# Allegro board RK3576_TEMPLATE_LP4XD200P132SD6_24X34_2133MHz_H1R6_V11_20240529YWQ.brd (continued)
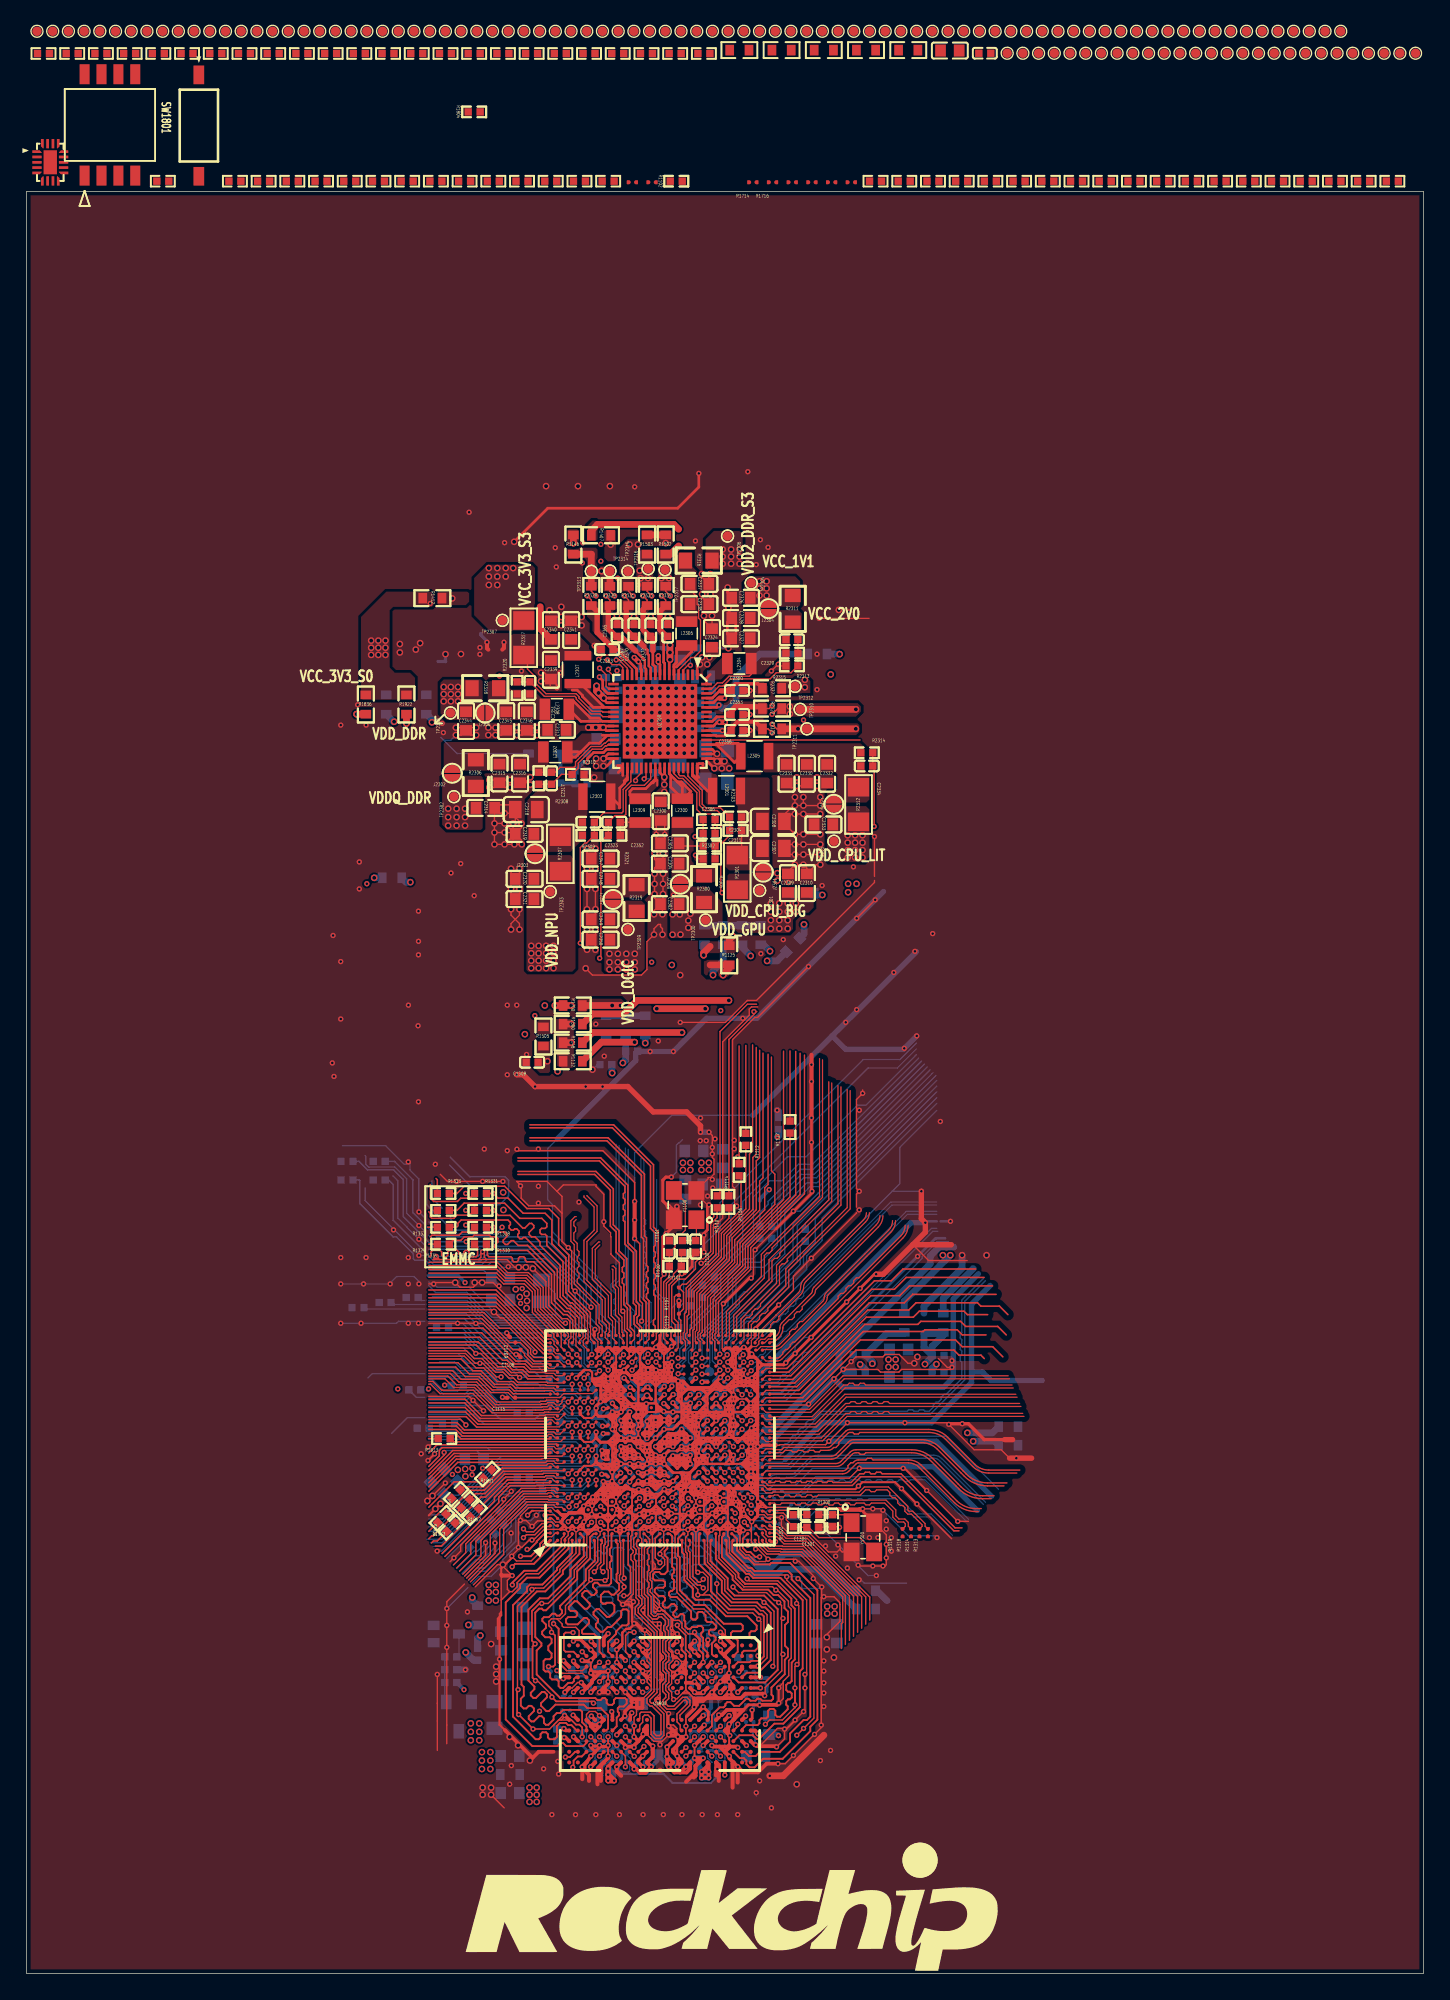
[diagram p0: board, top side]
## Copper pours and planes (outline as drawn; the poured copper is in the pictures) (continued)
VCC_1V8_S3 on TOP: 51.05,105.66 51.18,105.54 53.72,105.54 53.85,105.66 53.85,108.2 53.59,108.46 51.69,108.46 51.05,107.82
VCC_1V8_S3 on TOP: 53.34,76.84 53.21,76.71 52.58,76.71 52.45,76.84 52.45,77.98 52.7,78.23 53.21,78.23 53.34,78.1
VCC_1V8_S3 on BOTTOM: 35.94,14.48 36.07,14.61 36.07,16.89 35.94,17.02 34.16,17.02 33.91,16.76 33.91,14.86 34.29,14.48
VCC_1V8_S3 on L4-SIG: 53.98,91.69 53.98,77.6 52.96,77.6 52.83,77.72 52.83,78.1 53.09,78.36 53.09,81.91 52.45,82.55 52.45,83.69 53.47,84.71 53.47,106.68 53.72,106.68 53.85,106.55 53.85,97.16 54.86,96.14 54.86,92.58
VCC_1V8_S3_P on TOP: 48.7,101.3 48.7,106.68 48.83,106.81 50.04,106.81 50.04,105.79 50.41,105.42 50.41,105.04 50.42,105.03 50.42,103.85 50.39,103.77 50.39,103.7 50.39,103.62 50.42,103.54 50.42,101.37 50.29,101.24 48.76,101.24
VCC_2V0_PLDO_S3 on BOTTOM: 51.28,94.23 51.28,94.87 52.05,94.87 52.81,94.11 52.81,93.96 52.7,93.85 52.03,93.85 52.03,93.9 51.97,94.02 51.84,94.08 51.82,94.08 51.66,94.23
VCC_2V0_PLDO_S3 on L3-POWER: 51.82,93.98 51.94,93.85 54.23,93.85 55.05,94.68 55.05,99.95 54.55,100.46 54.55,104.9 54.77,105.12 57.66,105.12 59.28,103.5 60.58,103.5 60.71,103.63 60.71,105.28 60.58,105.41 59.56,105.41 56.64,108.33 51.18,108.33 50.04,107.19 50.04,101.47 52.96,98.55 52.96,95.5 52.58,95.12 51.94,95.12 51.82,95
VCC_3V3_S0 on TOP: 27.3,102.49 27.56,102.74 30.48,102.74 30.61,102.87 30.61,103.63 30.35,103.89 27.05,103.89 25.15,101.98 25.15,95.88 25.27,95.76 29.08,95.76 29.21,95.88 29.21,97.41 28.83,97.79 27.69,97.79 27.3,98.17
VCC_3V3_S3 on TOP: 33.66,102.11 33.66,104.9 34.67,105.92 37.97,105.92 38.23,105.66 38.23,101.09 38.1,100.97 34.8,100.97
VCC_3V3_S3_P on TOP: 42.29,99.82 42.29,99.57 42.55,99.31 42.55,98.81 42.42,98.68 40.26,98.68 39.88,98.3 36.58,98.3 36.45,98.42 36.45,100.58 36.58,100.71 41.4,100.71
VCCA_1V8_S0 on TOP: 56.39,94.59 56.39,95.25 56.64,95.5 62.48,95.5 62.74,95.25 62.74,94.87 62.36,94.49 56.49,94.49
VCCA_1V8_S0 on L4-SIG: 56.77,91.44 57.66,92.33 57.66,95.38 57.28,95.76 56.64,95.76 56.52,95.63 56.52,94.62 56.39,94.49 55.88,94.49 55.5,94.11 55.5,92.33 54.74,91.57 54.74,83.44 54.8,83.38 54.8,82.23 55.18,81.85 56.58,81.85 56.77,82.04
VCCA_1V8_S0_P on TOP: 55.74,94.75 55.57,94.59 54.97,94.59 54.77,94.79 54.76,94.8 54.67,94.94 54.53,95.03 53.38,95.03 53.21,94.87 53.21,94.36 52.58,94.36 52.58,94.87 53.34,95.63 55.5,95.63 55.74,95.39
VCCIO0_1V8 on L4-SIG: 45.09,44.7 45.09,44.96 44.83,45.21 44.83,48.13 43.43,49.53 43.43,50.42 43.37,50.48 43.37,51.12 42.29,52.2 42.29,54.1 41.78,54.61 41.66,54.61 41.66,52.07 42.67,51.05 42.67,49.4 44.32,47.75 44.32,45.21 44.83,44.7
VCCIO1 on L4-SIG: 42.93,41.02 43.05,40.89 43.43,40.89 43.56,41.02 43.56,41.66 43.43,41.78 36.96,41.78 36.45,42.29 35.94,42.29 35.94,42.04 36.96,41.02
VCCIO2 on L4-SIG: 43.43,37.34 43.43,37.72 42.93,38.23 37.21,38.23 36.07,37.08 36.07,36.83 36.2,36.7 37.08,36.7 37.72,37.34
VCCIO3 on L4-SIG: 44.07,43.05 43.94,43.05 43.81,42.93 43.81,42.67 43.69,42.54 43.69,42.29 43.56,42.16 39.88,42.16 37.72,44.32 34.92,44.32 34.8,44.2 34.8,43.81 36.7,41.91 39.62,41.91 39.88,41.66 44.2,41.66 44.58,42.04 44.58,42.55
VCCIO4 on L4-SIG: 43.56,40.77 43.56,40.26 43.43,40.13 36.83,40.13 36.77,40.2 35.88,40.2 32.64,43.43 30.35,43.43 29.97,43.81 29.97,49.91 30.23,49.91 30.67,49.47 30.67,47.31 37.08,40.89 43.43,40.89
VCCIO5 on L4-SIG: 43.43,39.88 40.77,39.88 40.64,40.01 35.56,40.01 32.89,42.67 32.77,42.67 32.26,43.18 29.97,43.18 28.83,44.32 27.69,44.32 27.56,44.2 27.56,43.81 29.34,42.04 31.5,42.04 34.29,39.24 43.43,39.24
VCCIO6 on L4-SIG: 55.12,37.72 55.24,37.59 61.34,37.59 61.85,38.1 61.85,38.23 52.07,38.23 51.75,37.91 51.94,37.72
VCCIO7_VCC on L4-SIG: 54.74,36.58 55.12,36.96 58.93,36.96 59.18,37.21 59.18,37.34 55.24,37.34 54.99,37.59 51.69,37.59 51.69,37.85 51.31,38.23 51.18,38.23 51.05,38.1 51.05,37.85 50.93,37.72 50.93,37.47 51.05,37.34 51.18,37.34 51.44,37.08 51.44,36.7 51.56,36.58
VCCIO_SD_S0 on TOP: 57.84,97.33 58.75,97.33 58.93,97.16 58.93,96.27 58.29,96.27 58.26,96.24 56.41,96.24 56.39,96.26 56.39,96.27 56.39,96.9 56.64,97.16 57.66,97.16
VCCIO_SD_S0_P on TOP: 55.73,96.77 55.73,96.14 55.7,96.11 54.99,96.11 54.77,96.33 54.79,96.39 54.79,96.46 54.72,96.68 54.53,96.83 54.52,96.84 54.46,96.9 54.26,96.9 54.2,96.93 54.15,96.93 53.6,96.93 53.54,96.93 53.49,96.9 53.44,96.9 53.38,96.84 53.29,96.84 53.29,96.75 53.19,96.65 53.19,96.14 52.9,96.14 52.85,96.18 52.8,96.22 52.12,96.22 52.07,96.27 52.07,96.39 52.96,97.28 55.22,97.28
VDD1_1V8_DDR_S3 on BOTTOM: 38.61,14.1 38.48,14.22 38.23,14.22 37.97,14.48 37.97,15.24 37.85,15.37 36.7,15.37 36.7,12.95 37.08,12.57 38.35,12.57 38.61,12.83
VDD1_1V8_DDR_S3 on L3-POWER: 50.8,21.5 50.08,21.5 49.82,21.24 49.82,20.28 50.29,19.81 53.21,19.81 54.1,18.92 54.1,18.41 54.8,17.72 54.8,15.81 53.47,14.48 50.67,14.48 50.04,15.11 50.04,15.69 49.82,15.91 48.73,15.91 48.7,15.88 48.64,15.88 48.51,16 48.51,17.14 47.75,17.91 47.75,22.48 48.29,23.02 49.06,23.02 49.78,23.75 50.04,23.75 50.16,23.88 50.42,23.88 50.67,24.13 50.67,25.15 50.8,25.27 51.38,25.27 51.56,25.09 51.56,24.64 51.82,24.38 51.94,24.38 52.07,24.26 52.07,22.23 51.58,21.73 51.04,21.73
VDD1_1V8_DDR_S3 on L3-POWER: 43.6,21.37 43.6,19.39 43.81,19.18 45.09,19.18 45.51,18.76 45.51,15.88 45.21,15.58 45.21,15.24 43.94,13.97 40.26,13.97 39.5,14.73 39.5,17.02 39.88,17.4 40.39,17.4 40.64,17.65 40.64,18.03 40.77,18.16 40.77,18.67 40.51,18.92 40.13,18.92 39.12,19.94 39.12,21.08 39.75,21.72 40.39,21.72 40.64,21.97 40.64,23.62 41.91,24.89 41.91,25.02 42.29,25.4 44.58,25.4 44.83,25.15 44.83,24.13 44.32,23.62 44.32,23.37 44.83,22.86 44.83,22.61 44.99,22.45 45.11,22.45 45.34,22.23 45.34,21.84 45.21,21.72 44.7,21.72 44.45,21.46 43.69,21.46
VDD1_1V8_DDR_S3 on L4-SIG: 43.35,15.02 43.35,15.4 43.6,15.65 43.69,15.65 44.74,14.61 49.66,14.61 50.42,15.37 51.56,15.37 51.56,13.59 50.55,12.57 37.59,12.57 37.47,12.7 37.47,14.1 37.59,14.22 42.55,14.22
VDD2_DDR_S3 on TOP: 57.77,105.04 58.17,104.65 58.17,102.87 58.04,102.74 54.2,102.74 53.96,102.98 53.96,104.52 54.48,105.04
VDD2_DDR_S3 on BOTTOM: 51.09,19.97 51.09,21.24 50.97,21.37 50.2,21.37 50.08,21.24 50.08,20.99 50.2,20.86 50.2,20.35 50.71,19.85 50.97,19.85
VDD2_DDR_S3 on BOTTOM: 35.69,19.05 35.81,18.92 35.81,17.91 35.18,17.27 32.38,17.27 32,17.65 32,18.8 32.26,19.05
VDD2_DDR_S3 on BOTTOM: 45.34,21.08 45.12,20.86 44.87,20.86 44.74,20.99 44.74,21.24 44.87,21.37 44.87,21.62 44.74,21.75 44.7,21.75 44.7,22.23 44.32,22.23 44.2,22.1 44.2,21.33 43.85,20.99 43.85,19.85 43.81,19.81 43.81,19.3 44.07,19.05 44.2,19.05 44.58,19.43 45.59,19.43 45.72,19.56 45.72,19.68 45.34,20.07 45.34,20.32 45.97,20.96 45.97,21.21 45.85,21.34 45.59,21.34 45.34,21.09
VDD2_DDR_S3 on BOTTOM: 46.85,17.16 46.99,17.31 48.17,17.31 48.55,16.92 48.55,15.53 48.43,15.4 48.13,15.4 47.91,15.62 47.46,15.62 47.24,15.4 46.99,15.4 46.85,15.54
VDD2_DDR_S3 on L3-POWER: 35.94,13.08 35.94,16.38 35.18,17.14 32.51,17.14 32.38,17.27 32.38,26.04 32.77,26.42 37.34,26.42 38.73,27.81 40.39,27.81 41.53,28.96 48.74,28.96 48.75,28.94 53.48,28.94 55.88,26.54 61.4,26.54 66.55,31.69 67.56,31.69 75.82,39.94 75.82,53.72 78.61,56.52 78.61,87.88 73.03,93.47 60.58,93.47 56.83,97.22 56.83,98.49 54.86,100.46 54.86,104.78 54.99,104.9 57.66,104.9 62.48,100.08 83.31,100.08 86.61,96.77 86.61,78.74 85.6,77.72 85.6,39.5 58.17,12.07 36.96,12.07
VDD2_DDR_S3_P on TOP: 53.95,99.69 53.95,102.36 54.08,102.49 58.04,102.49 58.29,102.23 58.29,101.09 58.17,100.97 57.66,100.97 57.4,100.71 57.4,99.06 57.28,98.93 56.52,98.93 55.25,97.66 54.1,97.66 53.98,97.79 53.98,99.67
VDD_0V75_S3 on TOP: 42.8,104.01 42.04,104.01 42.04,106.3 41.91,106.43 40.77,106.43 40.64,106.55 40.64,107.06 40.77,107.19 42.8,107.19 42.93,107.06 42.93,104.14
VDD_0V75_S3_P on TOP: 42.14,102.87 42.39,103.12 42.9,103.12 43.03,103 43.03,101.22 43.08,101.17 43.08,101.13 43.92,100.3 43.92,100.25 43.98,100.11 44.12,100.05 44.17,100.05 44.19,100.02 44.22,100.02 44.29,99.96 44.55,99.96 45.34,99.18 45.34,99.1 45.31,99.01 45.3,98.93 45.33,98.78 45.41,98.65 45.74,98.32 45.75,98.27 45.7,98.24 45.65,98.24 44.59,99.29 44.51,99.35 44.41,99.36 43.79,99.36 43.79,99.69 43.78,99.71 43.78,99.92 43.65,99.92 43.61,99.97 43.55,100 43.19,100.36 43.12,100.42 43.03,100.46 43.02,100.46 42.55,100.94 42.55,101.6 42.14,102.01
VDD_CPU_BIG_S0 on TOP: 56.01,82.68 56.01,81.91 56.26,81.66 59.18,81.66 59.18,80.14 58.8,79.76 58.17,79.76 57.63,79.22 57.63,78.52 57.34,78.23 53.21,78.23 52.7,78.74 52.7,82.55 52.83,82.68
VDD_CPU_BIG_S0 on BOTTOM: 49.97,40.06 50.04,40.13 50.29,40.13 50.42,40.26 50.42,40.51 50.04,40.89 50.04,41.27 49.79,41.53 49.41,41.53 49.28,41.4 49.28,41.15 48.9,40.77 48.26,40.77 47.62,40.13 47.62,40.13 47.5,40.01 47.5,40.01 47.25,39.75 47.25,39.5 47.25,39.5 48.01,39.5 48.06,39.55 48.7,39.55 49.21,40.06
VDD_CPU_BIG_S0 on BOTTOM: 52.83,60.07 52.96,60.2 52.96,60.96 52.7,61.21 50.55,61.21 50.42,61.09 50.42,58.8 51.18,58.8 51.18,59.82 51.44,60.07
VDD_CPU_BIG_S0 on L3-POWER: 54.86,40.39 50.29,40.39 50.04,40.13 49.66,40.13 48.9,39.37 48.51,39.37 48.26,39.12 46.99,39.12 46.99,39.12 46.87,39.24 46.86,39.24 46.86,40.51 46.99,40.64 47.62,40.64 48.13,41.15 48.13,43.81 48.77,44.45 48.77,47.5 50.16,48.89 50.16,59.44 50.55,59.82 50.55,61.59 50.16,61.98 50.16,73.15 50.23,73.22 50.23,77.6 50.42,77.79 50.42,80.52 50.55,80.52 50.67,80.65 59.05,80.65 59.69,80.01 59.69,57.28 58.15,55.74 58.15,43.68
VDD_CPU_BIG_S0_P on TOP: 55.88,82.93 52.83,82.93 52.55,83.21 52.55,84.81 53.09,85.34 53.34,85.34 53.47,85.47 53.47,87.76 53.34,87.88 53.34,89.92 55.75,89.92 55.88,89.79
VDD_CPU_LIT_S0 on TOP: 63.37,83.95 62.99,83.57 60.33,83.57 60.2,83.69 60.2,87.76 63.12,87.76 63.37,87.5
VDD_CPU_LIT_S0 on BOTTOM: 65.41,47.24 64.52,47.24 64.26,46.99 64.26,44.7 64.39,44.58 65.41,44.58 65.66,44.83 65.66,46.99
VDD_CPU_LIT_S0 on BOTTOM: 49.91,38.61 50.42,39.12 50.42,39.37 50.29,39.5 50.17,39.5 49.91,39.24 49.28,39.24 49.15,39.12 48.52,39.12 48.39,38.99 48.39,38.86 48.64,38.61 48.77,38.61 49.15,38.23 49.15,38.23 49.28,38.1 49.66,38.1 49.78,37.97 50.42,37.97 50.42,38.1
VDD_CPU_LIT_S0 on L3-POWER: 48.39,38.86 48.39,38.99 48.64,39.24 49.4,39.24 49.53,39.37 49.53,39.75 49.78,40.01 55.12,40.01 58.55,43.43 58.55,55.5 60.26,57.21 60.26,85.6 60.52,85.85 67.31,85.85 70.23,82.93 70.23,67.18 65.66,62.61 65.66,42.67 60.07,37.08 52.83,37.08 52.71,37.21 52.2,37.21 51.31,38.1 49.91,38.1 49.28,38.73 48.51,38.73
VDD_CPU_LIT_S0_P on TOP: 55.37,92.46 55.5,92.58 61.79,92.58 62.61,92.58 62.99,92.2 62.99,90.55 63.37,90.17 63.37,88.27 63.14,88.03 60.2,88.03 60.2,88.77 60.32,88.89 60.64,88.89 60.68,88.89 60.71,88.9 60.84,88.9 60.96,89.03 60.96,90.17 60.83,90.3 55.5,90.3 55.37,90.42
VDD_DDR_S0 on TOP: 34.29,94.36 34.16,94.23 31.62,94.23 31.11,94.74 31.11,97.03 31.37,97.28 34.16,97.28 34.29,97.16
VDD_DDR_S0 on BOTTOM: 60.96,27.81 60.07,27.81 58.93,26.67 58.93,25.78 61.47,25.78 61.59,25.91 61.59,26.42 61.21,26.8 61.21,27.56
VDD_DDR_S0 on BOTTOM: 47.12,38.03 46.16,38.03 45.78,37.65 45.84,37.58 45.84,37.47 45.97,37.34 48.01,37.34 48.01,37.34 48.39,37.34 48.51,37.45 48.51,37.73 48.39,37.85 48.01,37.85 47.88,37.72 47.37,37.72 47.12,37.97
VDD_DDR_S0 on L3-POWER: 48.51,34.92 48.77,35.18 48.77,37.08 48.51,37.34 45.97,37.34 45.85,37.47 45.85,37.85 45.97,37.97 45.97,38.35 46.23,38.61 46.23,38.61 46.48,38.86 48.14,38.86 48.39,38.61 49.15,38.61 49.78,37.97 51.31,37.97 51.56,37.72 51.56,36.83 51.94,36.45 60.45,36.45 66.29,42.29 66.29,62.23 70.99,66.93 70.99,83.12 67.31,86.8 63.37,86.8 62.8,86.23 52.96,86.23 52.2,87 51.44,87 50.55,86.11 50.04,86.11 49.66,85.72 48.77,85.72 48.26,86.23 47.12,86.23 46.61,85.72 38.99,85.72 36.45,88.27 34.42,88.27 29.84,92.84 29.84,95.88 31.37,97.41 35.18,97.41 35.43,97.16 36.58,97.16 38.99,94.74 38.99,92.2 42.93,88.27 48.51,88.27 50.29,90.04 53.98,90.04 57.15,93.22 72.9,93.22 78.49,87.63 78.49,59.05 77.91,58.48 77.91,56.2 75.56,53.85 75.56,40.07 67.44,31.94 66.55,31.94 61.34,26.73 55.94,26.73 53.47,29.21 48.77,29.21 48.51,29.46
VDD_DDR_S0_P on TOP: 36.07,97.16 36.32,96.9 36.32,96.65 36.45,96.52 38.06,96.52 38.72,95.87 39.26,95.87 39.37,95.76 39.37,95.63 39.37,95.63 39.37,94.38 39.24,94.26 38.93,94.26 38.93,94.23 38.59,94.23 38.51,94.26 38.43,94.27 38.35,94.26 38.27,94.23 38.03,94.23 37.95,94.26 37.87,94.27 37.79,94.26 37.71,94.23 34.8,94.23 34.67,94.36 34.67,97.03 34.8,97.16
VDD_GPU_S0 on TOP: 48.51,81.71 51.13,81.71 52.32,80.52 52.32,78.23 51.94,77.85 48.51,77.85 48.39,77.98 48.39,81.58
VDD_GPU_S0 on BOTTOM: 33.78,38.1 33.78,37.47 32.64,36.32 32.38,36.32 30.86,37.85 32,38.99 32.38,38.99 32.51,39.12 33.4,39.12 33.53,38.99 33.53,38.35
VDD_GPU_S0 on BOTTOM: 44.27,38.79 44.63,38.79 44.89,38.54 45.9,38.54 46.1,38.73 46.1,38.99 45.35,39.74 44.7,39.74 44.07,39.11 44.07,38.99 44.07,38.99
VDD_GPU_S0 on L3-POWER: 31.75,37.21 31.75,37.72 30.86,38.61 30.86,38.86 29.34,40.39 29.34,80.39 31.5,82.55 32.13,82.55 32.26,82.68 32.89,82.68 34.92,84.71 50.04,84.71 50.04,83.57 50.16,83.44 50.16,77.85 49.91,77.6 42.16,77.6 41.78,77.98 41.4,77.98 41.15,78.23 37.59,78.23 36.2,76.84 36.2,61.47 36.45,61.21 36.45,53.72 36.2,53.47 36.2,48.01 36.07,47.88 36.07,43.81 40.01,39.88 44.07,39.88 44.26,40.07 44.39,40.07 44.45,40.13 46.23,40.13 46.48,39.88 46.48,39.63 46.48,39.62 46.48,38.99 46.1,38.61 45.97,38.61 45.72,38.35 45.72,37.47 45.47,37.21 45.21,37.21 44.83,36.83 44.83,35.56 44.45,35.18 44.45,33.15 43.69,32.38 38.61,32.38 35.94,35.05 33.91,35.05
VDD_GPU_S0_P on TOP: 48.51,82.04 48.49,82.07 48.49,86.87 48.59,86.97 50.07,86.97 50.16,86.87 50.16,84.09 50.04,83.97 49.99,83.79 50.04,83.61 50.16,83.49 50.16,83.31 50.29,83.19 51.69,83.19 51.82,83.06 51.82,82.17 51.69,82.04
VDD_LOGIC_S0 on TOP: 43.56,75.31 43.43,75.44 43.43,80.65 46.23,80.65 46.48,80.39 46.48,75.56 46.23,75.31
VDD_LOGIC_S0 on BOTTOM: 46.16,40.57 46.16,41.2 46.41,41.46 46.41,41.84 46.61,42.04 46.99,42.04 47.24,42.29 47.37,42.29 47.7,41.97 47.82,41.97 48.13,41.66 48.13,41.53 47.37,40.77 47.24,40.77 47.12,40.89 46.99,40.89 46.6,40.51 46.62,40.51 46.86,40.26 46.86,40.13 46.48,39.75 46.23,39.75 46.1,39.88 46.1,40.01 46.23,40.13 46.23,40.5
VDD_LOGIC_S0 on BOTTOM: 49.91,62.36 49.15,62.36 49.15,59.18 50.04,59.18 50.16,59.31 50.16,62.1
VDD_LOGIC_S0 on L3-POWER: 45.59,42.67 43.82,44.45 43.82,46.73 43.31,47.24 43.31,51.44 43.43,51.56 43.43,76.84 43.69,77.09 49.53,77.09 49.79,76.83 49.79,61.59 50.16,61.22 50.16,60.2 49.79,59.82 49.79,49.91 49.78,49.91 49.78,49.27 48.01,47.5 48.01,45.21 48.39,44.83 48.39,43.81 48.26,43.81 47.88,43.43 47.88,41.15 47.5,40.77 46.86,40.77 46.86,40.26 46.74,40.13 46.48,40.13 45.97,40.64 45.72,40.64 45.59,40.77
VDD_LOGIC_S0 on L4-SIG: 48.9,40.77 48.39,40.26 48.13,40.26 47.62,39.75 46.99,39.75 46.74,40.01 46.48,40.01 46.35,40.13 46.35,41.78 46.48,41.91 48.77,41.91 48.9,41.78
VDD_LOGIC_S0_P on TOP: 43.43,84.84 43.56,84.96 44.2,84.96 44.32,85.09 44.32,86.77 44.34,86.79 45.06,86.79 45.14,86.87 46.86,86.87 46.86,81.41 46.35,80.9 43.43,80.9
VDD_NPU_S0 on TOP: 37.72,75.31 37.59,75.44 37.59,84.07 40.89,84.07 41.27,83.69 41.27,75.56 41.02,75.31
VDD_NPU_S0 on BOTTOM: 35.81,50.29 36.32,49.78 39.24,49.78 39.5,50.04 39.5,50.93 39.24,51.18 38.1,51.18 37.47,51.82 37.47,52.07 36.7,52.83 35.94,52.83 35.81,52.7
VDD_NPU_S0 on BOTTOM: 44.51,40.84 44.51,40.82 44.63,40.7 44.76,40.7 44.89,40.82 45.4,40.82 45.47,40.89 45.47,42.67 45.21,42.93 44.96,42.93 44.96,42.04 44.83,41.91 44.2,41.91 44.07,41.78 44.07,41.27
VDD_NPU_S0 on L3-POWER: 36.83,52.83 37.21,53.21 37.21,59.05 37.4,59.25 37.08,59.56 37.08,61.34 36.7,61.72 36.7,76.39 37.85,77.53 41.08,77.53 41.91,76.71 42.29,76.71 43.31,75.69 43.31,55.75 43.18,55.63 43.18,47.12 43.56,46.73 43.56,44.45 45.34,42.67 45.34,40.89 45.47,40.77 45.47,40.51 45.47,40.51 45.21,40.26 44.45,40.26 44.2,40.01 43.31,40.01 43.31,40.01 40.13,40.01 36.32,43.81 36.32,47.75 36.45,47.88 36.45,51.44 36.83,51.82
VDD_NPU_S0_P on TOP: 42.16,89.41 42.16,87 42.04,86.87 42.04,85.47 40.89,84.33 37.66,84.33 37.66,88.2 38.35,88.9 39.75,88.9 40.26,89.41
VDDA0V75_HDMI_S0 on TOP: 45.72,105.18 45.7,105.16 45.7,104.01 45.57,103.89 44.7,103.89 44.58,104.01 44.58,107.19 45.21,107.82 45.97,107.82 46.23,107.57 46.23,107.19 45.72,106.68
VDDA0V75_HDMI_S0 on L4-SIG: 45.21,107.82 47.37,107.82 48.13,107.06 49.15,107.06 49.78,106.43 51.82,106.43 53.34,104.9 53.34,85.09 52.2,83.95 52.2,82.3 52.83,81.66 52.83,77.72 58.17,72.39 58.17,69.34 59.31,68.2 59.31,49.15 56.39,46.23 56.39,45.09 54.99,43.69 52.96,43.69 52.83,43.81 52.45,43.81 52.13,43.5 51.94,43.69 52.32,44.07 53.59,44.07 54.1,44.58 54.61,44.58 54.86,44.83 54.86,47.24 55.24,47.62 55.63,47.62 57.09,49.09 57.09,53.53 57.4,53.85 57.4,65.28 56.52,66.17 56.52,72.01 53.47,75.06 53.47,75.56 51.31,77.72 51.31,80.14 49.53,81.91 49.53,90.04 50.8,91.31 50.8,97.28 49.91,98.17 49.91,104.78 48.51,106.17 46.61,106.17 46.29,106.49 45.15,106.49 44.83,106.81 44.83,107.44
VDDA0V75_HDMI_S0_P on TOP: 44.87,101.7 44.86,101.78 44.81,101.85 44.81,102.11 44.58,102.34 44.58,103.12 44.7,103.25 45.57,103.25 45.7,103.12 45.7,102.49 45.6,102.39 45.58,102.39 45.35,102.25 45.26,101.99 45.26,101.86 45.21,101.79 45.19,101.7 45.19,101.15 45.21,101.05 45.28,100.98 45.28,100.85 45.56,100.85 45.57,100.84 45.82,100.84 46.46,100.2 46.47,100.18 46.52,100.11 46.59,100.06 46.6,100.06 46.68,99.98 46.68,99.45 46.7,99.31 46.77,99.19 46.78,99.18 46.78,99.05 46.75,99.01 46.7,99.02 46.41,99.31 46.41,99.44 45.42,100.43 45.36,100.43 45.1,100.68 45,100.76 44.88,100.79 44.87,100.8
VDDA_0V75_S0 on TOP: 38.61,71.75 38.35,71.5 38.35,70.74 38.48,70.61 39.75,70.61 39.88,70.48 39.88,68.2 40.01,68.07 41.02,68.07 41.15,68.2 41.15,71.5 40.89,71.75
VDDA_0V75_S0 on TOP: 47.47,103.99 47.47,106.53 47.5,106.55 47.5,106.93 47.62,107.06 48.39,107.06 48.51,106.93 48.51,106.58 48.5,106.57 48.5,104 48.39,103.89 47.57,103.89
VDDA_0V75_S0 on TOP: 42.93,107.82 42.8,107.7 42.16,107.7 42.16,108.84 42.55,109.22 42.8,109.22 42.93,109.09
VDDA_0V75_S0 on L4-SIG: 41.4,89.79 41.4,93.85 42.55,95 42.55,97.92 43.05,98.42 43.31,98.42 43.69,98.81 43.69,99.06 45.09,100.46 49.15,100.46 49.4,100.71 49.4,104.39 48.64,105.16 47.5,105.16 47.37,105.03 47.37,104.52 46.61,103.76 46.61,103.12 46.1,102.62 44.26,102.62 40.83,99.19 40.83,95.31 40.01,94.49 40.01,88.01 40.89,87.12 40.89,75.06 41.53,74.42 41.53,72.39 40.64,71.5 40.64,69.85 40.77,69.72 42.29,69.72 43.31,70.74 43.31,73.03 43.69,73.41 45.72,73.41 46.35,74.04 46.35,76.71 43.69,79.38 43.69,87.5
VDDA_0V75_S0_P on TOP: 47.41,101.7 47.4,101.78 47.35,101.85 47.35,102.87 47.6,103.12 48.36,103.12 48.49,103 48.49,102.49 48.36,102.36 48.33,102.37 48.27,102.39 48.21,102.4 48.13,102.39 48.04,102.36 47.98,102.36 47.85,102.23 47.85,102.19 47.85,102.18 47.81,102.09 47.8,101.99 47.8,101.86 47.75,101.79 47.73,101.7 47.73,101.15 47.75,101.05 47.82,100.98 47.82,100.85 48.1,100.85 48.14,100.81 48.36,100.81 48.47,100.7 48.47,100.47 48.33,100.33 48.31,100.32 48.03,100.17 47.92,99.87 47.92,99.5 47.86,99.4 47.74,99.42 47.6,99.57 47.6,100.58 47.41,100.77
VDDA_0V85_S0 on TOP: 46.94,103.99 46,103.99 45.85,104.14 45.85,106.68 46.23,107.06 46.99,107.06 47.12,106.93 47.12,104.17
VDDA_0V85_S0 on BOTTOM: 65.53,49.28 66.29,49.28 66.67,49.66 66.67,50.16 69.72,53.21 69.72,54.23 69.6,54.36 68.71,54.36 68.2,53.85 68.2,53.21 65.53,50.55
VDDA_0V85_S0 on L4-SIG: 41.15,72.39 41.27,72.52 41.27,74.42 40.77,74.93 40.77,87.12 39.88,88.01 39.88,94.74 40.64,95.5 40.64,99.31 44.2,102.87 45.85,102.87 46.23,103.25 46.23,103.76 47.12,104.65 47.12,105.28 46.61,105.79 44.45,105.79 43.56,104.9 40.77,104.9 36.2,100.33 36.2,92.71 36.83,92.08 36.83,87.63 37.59,86.87 37.59,78.61 37.34,78.36 37.34,73.91 38.86,72.39
VDDA_0V85_S0_P on TOP: 46.2,100.74 46.2,102.87 46.46,103.12 46.84,103.12 46.97,103 46.97,102.62 46.46,102.11 46.46,101.22 46.46,101.15 46.48,101.05 46.55,100.98 46.55,100.85 46.83,100.85 46.84,100.84 47.06,100.84 47.35,100.55 47.35,99.42 47.29,99.39 47.19,99.39 47.14,99.48 47.14,99.81
VDDA_1V2_S0 on TOP: 56.52,93.09 62.36,93.09 62.61,93.34 62.61,93.85 62.48,93.98 56.52,93.98
VDDA_1V2_S0 on BOTTOM: 58.17,78.36 57.66,77.85 57.66,77.47 57.91,77.22 58.17,77.22 58.8,77.85 58.8,78.99 58.67,79.12 58.29,79.12 58.17,78.99
VDDA_1V2_S0_P on TOP: 52.58,92.96 53.09,92.96 53.21,93.09 53.21,93.22 53.72,93.73 54.61,93.73 54.99,93.34 54.99,93.09 55.63,93.09 55.63,94.11 55.37,94.36 53.21,94.36 52.58,93.73
VDDA_DDR_PLL_S0 on TOP: 44.2,103.89 43.43,103.89 42.93,104.39 42.93,105.66 43.05,105.79 44.07,105.79 44.2,105.66
VDDA_DDR_PLL_S0 on L4-SIG: 45.6,37.47 45.21,37.47 44.83,37.85 44.32,37.85 44.07,38.1 43.81,38.1 43.69,37.97 43.31,37.97 43.18,38.1 43.18,38.1 42.93,38.35 37.08,38.35 36.96,38.48 34.04,38.48 30.61,41.91 31.37,41.91 34.29,38.99 44.07,38.99 44.2,38.86 45.47,38.86 45.97,38.36 45.97,37.84
VDDA_DDR_PLL_S0_P on TOP: 43.28,102.55 43.28,102.74 43.29,102.76 43.29,102.98 43.43,103.12 44.32,103.12 44.45,103 44.45,102.74 43.92,102.21 43.92,100.97 44.01,100.87 44.01,100.85 44.03,100.85 44.17,100.71 44.68,100.71 45.19,100.2 45.2,100.18 45.27,100.09 45.39,100.05 45.51,100.05 46.2,99.36 46.2,99.21 46.49,98.92 46.49,98.81 46.46,98.76 46.4,98.77 45.97,99.21 45.84,99.3 45.69,99.33 45.62,99.32 45.55,99.3 45.51,99.29 44.57,100.23 44.28,100.23 43.31,101.19 43.31,102.4 43.3,102.47
VDDQ_DDR_CKE_S3 on L4-SIG: 43.05,36.58 43.18,36.45 44.32,36.45 44.83,36.96 44.83,37.59 44.7,37.72 44.2,37.72 44.07,37.85 43.94,37.85 43.31,37.21 37.85,37.21 37.56,36.93 37.91,36.58
VDDQ_DDR_S0 on TOP: 31.24,89.92 31.37,90.04 34.16,90.04 34.29,89.92 34.29,86.11 34.16,85.98 31.62,85.98 31.24,86.36
VDDQ_DDR_S0 on BOTTOM: 35.59,29.5 35.78,29.31 35.78,28.99 36.77,28 37.78,28 38.23,27.56 38.23,25.4 38.1,25.27 35.18,25.27 35.05,25.4 35.05,26.73 34.48,27.3 34.48,29.4 34.58,29.5
VDDQ_DDR_S0 on BOTTOM: 48.77,37.21 47.88,37.21 47.75,37.08 47.37,37.08 47.24,37.21 45.85,37.21 45.85,37.21 45.85,37.08 45.72,36.96 45.72,36.83 45.34,36.45 45.34,36.32 45.47,36.2 45.59,36.2 45.72,36.32 45.72,36.45 45.98,36.7 46.1,36.7 46.23,36.58 46.48,36.58 46.61,36.7 46.86,36.7 46.99,36.58 47.5,36.58 47.62,36.7 48.39,36.7 48.52,36.83 48.77,36.83 48.9,36.7 48.9,36.32 48.77,36.2 48.77,36.07 48.9,35.94 49.15,35.94 49.28,36.07 49.28,36.45 49.15,36.58 49.15,36.83
VDDQ_DDR_S0 on L3-POWER: 26.54,30.61 20.45,36.7 20.45,60.07 17.14,63.37 17.14,70.23 21.08,74.17 21.08,79.88 28.57,87.38 28.57,88.52 28.83,88.77 32.13,88.77 33.4,87.5 33.4,84.2 32.64,83.44 31.37,83.44 28.83,80.9 28.83,79.9 28.96,79.77 28.96,39.88 33.97,34.86 36,34.86 38.73,32.13 43.69,32.13 44.96,33.4 44.96,36.58 45.21,36.83 45.47,36.83 45.85,37.21 48.39,37.21 48.51,37.08 48.51,36.07 48.13,35.69 48.13,33.15 48.32,32.96 48.32,32.95 48.32,29.27 48.13,29.08 41.4,29.08 40.39,28.07 38.61,28.07 37.21,26.67 27.43,26.67 26.54,27.56
VDDQ_DDR_S0_P on TOP: 31.37,90.42 31.37,92.46 31.5,92.58 39.22,92.58 39.22,90.96 39.37,90.81 39.62,90.81 39.75,90.68 39.75,90.04 38.26,90.04 38.23,90.11 38.23,90.17 37.97,90.42
VDDQ_DRAM_S0 on BOTTOM: 35.81,19.3 33.15,19.3 33.02,19.43 33.02,20.96 33.66,21.59 36.45,21.59 36.7,21.84 36.7,24.38 36.83,24.51 38.99,24.51 40.64,26.16 41.78,26.16 42.67,25.27 42.67,24.89 42.55,24.77 42.42,24.77 42.29,24.89 41.91,24.89 41.4,24.38 41.4,23.88 41.41,23.87 41.41,23.37 41.31,23.28 41.31,22.51 41.44,22.39 42.71,22.39 42.93,22.61 43.81,22.61 44.2,22.99 44.45,22.99 44.64,22.8 43.94,22.1 43.94,21.46 43.81,21.34 42.93,21.34 42.29,20.69 42.29,19.81 42.55,19.56 42.55,19.18 42.29,18.92 42.67,18.54 42.87,18.54 42.97,18.45 44.11,18.45 44.24,18.32 44.24,17.81 44.87,17.18 44.87,16.17 44.58,15.87 43.94,15.87 43.56,15.49 43.56,15.37 43.31,15.11 43.31,14.35 43.56,14.1 51.56,14.1 52.2,14.73 52.2,15.49 51.94,15.75 51.05,15.75 51.05,16.26 50.8,16.51 50.42,16.51 50.42,18.29 50.55,18.41 51.31,18.41 51.72,18.82 51.72,21.18 51.56,21.34 51.31,21.34 50.93,21.72 50.93,22.86 51.1,23.03 51.1,23.16 51.31,23.37 51.31,23.5 51.44,23.62 51.44,24.64 51.95,25.16 53.2,25.16 53.72,24.64 53.72,23.37 54.36,22.73 54.36,17.78 54.48,17.65 54.48,13.34 53.34,12.19 38.99,12.19 38.73,12.45 38.73,14.1 38.23,14.61 38.23,16.51 36.07,18.67 36.07,19.05
DDR_PLL_AVDD1V8 on L4-SIG: 45.34,37.21 45.59,37.21 45.72,37.08 45.72,36.7 44.83,35.81 38.23,35.81 36.7,34.29 36.45,34.29 36.32,34.42 36.32,34.67 38.1,36.45 44.58,36.45
HDMI_TX/EDP_TX_AVDD1V8 on BOTTOM: 54.23,77.72 53.34,77.72 53.34,77.09 54.23,76.2 54.61,76.2 54.74,76.33 54.74,76.58 54.36,76.96 54.36,77.6
HDMI_TX/EDP_TX_AVDD1V8 on L4-SIG: 51.82,43.31 51.69,43.18 51.69,42.8 51.94,42.55 55.12,42.55 59.69,47.12 59.69,49.28 56.58,46.16 56.58,45.02 54.99,43.43 53.09,43.43 52.96,43.31
MIPI_CSI1/2_AVDD0V75 on L4-SIG: 51.56,44.7 50.36,43.5 50.8,43.5 52.32,45.02 52.32,46.61 53.34,47.62 53.34,48.51 55.56,50.74 55.56,51.75 52.07,48.26 52.07,47.12 51.56,46.61
MIPI_CSI1/2_AVDD1V8 on BOTTOM: 52.83,77.72 51.94,77.72 51.94,76.45 51.31,75.82 51.31,75.06 51.56,74.8 51.82,74.8 52.96,75.95 52.96,77.6
MIPI_CSI1/2_AVDD1V8 on L4-SIG: 51.31,47.37 51.31,49.15 52.07,49.91 52.07,50.42 51.82,50.67 50.8,49.66 50.8,46.99 50.67,46.86 50.67,44.32 51.18,44.83 51.18,47.24
MIPI_CSI3/4_AVDD0V75 on TOP: 39.37,70.1 38.35,70.1 38.23,69.98 38.23,68.07 38.61,67.69 39.24,67.69 39.37,67.82
MIPI_CSI3/4_AVDD0V75 on L4-SIG: 43.56,44.58 42.93,45.21 42.93,45.34 42.67,45.59 42.67,46.48 42.42,46.74 42.42,46.99 41.4,48.01 41.02,48.01 41.02,47.37 41.4,46.99 41.4,46.74 41.53,46.61 41.53,45.85 41.78,45.59 42.04,45.59 43.43,44.2 44.32,44.2 45.21,43.31 45.34,43.31 45.59,43.56 45.47,43.69 45.21,43.69 44.32,44.58
MIPI_CSI3/4_AVDD1V8 on L4-SIG: 45.72,44.32 45.72,43.94 45.59,43.81 45.21,43.81 44.07,44.96 43.56,44.96 43.18,45.34 43.18,46.61 41.66,48.13 41.66,49.91 41.91,49.91 44.2,47.62 44.2,45.34 45.09,44.45 45.59,44.45
MIPI_DCPHY_AVDD on TOP: 46.35,108.58 48.39,108.58 48.64,108.33 48.64,107.57 48.39,107.31 46.74,107.31 46.23,107.82 46.23,108.46
MIPI_DCPHY_AVDD on L4-SIG: 48.01,107.31 49.28,107.31 49.78,106.81 53.47,106.81 54.36,105.92 54.48,105.92 54.48,107.19 53.72,107.95 48.01,107.95 47.88,107.82 47.88,107.44
MIPI_DCPHY_AVDD on L4-SIG: 51.05,40.77 51.31,40.51 54.74,40.51 55.24,41.02 58.17,41.02 59.56,42.42 59.56,42.55 58.29,42.55 57.53,41.78 56.52,41.78 56.26,41.53 54.99,41.53 54.74,41.27 51.18,41.27 51.05,41.15
MIPI_DCPHY_AVDD1V2 on BOTTOM: 56.52,76.84 56.52,76.58 56.26,76.33 55.63,76.33 55.37,76.07 55.37,75.95 55.63,75.69 56.64,75.69 57.78,76.84 57.78,76.96 57.4,77.34 57.02,77.34
MIPI_DCPHY_AVDD1V2 on L4-SIG: 51.05,41.4 51.69,41.4 52.45,42.16 55.63,42.16 56.52,43.05 57.02,43.05 60.33,46.36 60.33,47.12 59.82,47.12 55.12,42.42 51.69,42.42 51.05,41.78
MIPI_DCPHY_AVDD1V8 on BOTTOM: 54.74,77.85 54.74,77.22 54.86,77.09 55.37,77.09 55.75,76.71 56.13,76.71 56.26,76.84 56.26,77.6 56.01,77.85
MIPI_DCPHY_AVDD1V8 on L4-SIG: 52.32,41.91 52.32,41.53 52.45,41.4 54.74,41.4 54.99,41.66 56.01,41.66 56.39,42.04 57.53,42.04 61.09,45.59 61.09,46.36 60.83,46.36 57.15,42.67 56.39,42.67 55.75,42.04 52.58,42.04 52.45,41.91
OSC_1V8 on TOP: 52.07,77.6 52.2,77.47 52.2,76.84 52.07,76.71 50.93,76.71 50.67,76.96 50.67,77.47 50.8,77.6
OSC_1V8 on BOTTOM: 51.44,77.72 50.67,77.72 50.55,77.6 50.55,76.45 50.8,76.2 51.31,76.2 51.56,76.45 51.56,77.6
OSC_1V8 on L4-SIG: 48.39,42.8 48.39,42.67 48.51,42.55 49.15,42.55 49.78,43.18 49.78,43.81 49.91,43.94 49.91,44.96 49.78,45.09 49.78,47.12 50.04,47.37 50.04,49.78 49.4,49.78 49.4,47.37 49.66,47.12 49.66,44.07 49.4,43.81 49.4,43.69 48.77,43.05 48.64,43.05
OSC_UFS_AVDD on L4-SIG: 50.93,37.08 50.93,36.7 51.44,36.2 54.99,36.2 55.63,35.56 55.63,34.93 55.88,34.67 56.9,34.67 57.4,34.16 61.59,34.16 67.18,39.75 70.87,39.75 70.99,39.88 70.99,40.01 70.87,40.13 66.04,40.13 62.74,36.83 55.12,36.83 54.86,36.58 51.56,36.58 51.44,36.7 51.44,36.96 51.18,37.21 51.05,37.21
OTP_VDD0V75 on L4-SIG: 48.51,43.31 48.39,43.43 48.39,43.69 48.77,44.07 48.77,49.4 48.51,49.66 48.51,50.93 49.53,51.94 50.55,51.94 50.55,51.44 49.28,50.16 49.28,46.99 49.53,46.74 49.53,44.2 49.28,43.94 49.28,43.81 48.77,43.31
PCIE_COMBOPHY_AVDD0V85 on TOP: 41.53,72.26 44.7,72.26 44.96,72.52 44.96,73.03 44.7,73.28 41.53,73.28 41.4,73.15 41.4,72.39
PCIE_COMBOPHY_AVDD0V85 on L4-SIG: 46.86,43.56 46.23,44.2 46.23,47.62 45.85,48.01 45.85,48.51 45.47,48.89 45.47,49.91 44.96,50.42 44.96,58.67 44.32,59.31 44.32,69.09 45.09,69.85 45.09,72.9 44.83,73.15 43.81,73.15 43.56,72.9 43.56,70.61 42.8,69.85 42.8,60.2 43.18,59.82 43.18,57.78 42.55,57.15 42.55,52.2 43.81,50.93 43.81,49.53 44.83,48.51 44.83,44.83 46.35,43.31 46.86,43.31
PCIE_COMBOPHY_AVDD1V8 on L4-SIG: 46.99,49.53 46.48,50.04 46.48,59.18 45.34,60.33 45.34,68.58 45.09,68.83 44.7,68.83 44.58,68.71 44.58,59.56 45.09,59.05 45.09,50.67 45.59,50.16 45.59,49.02 46.23,48.39 46.23,44.32 46.74,43.81 46.86,43.81 46.99,43.94
PLL_AVDD1V8 on L4-SIG: 48.77,44.07 48.77,44.45 48.51,44.7 48.51,47.24 48.39,47.37 48.39,50.16 47.37,51.18 47.37,50.29 47.88,49.78 47.88,47.5 48.01,47.37 48.01,44.2 48.39,43.81 48.51,43.81
PLL_DVDD0V75 on L4-SIG: 48.26,43.43 48.26,43.69 47.88,44.07 47.88,47.24 47.62,47.5 47.62,49.78 47.12,50.29 47.12,58.8 46.86,59.05 46.48,58.67 46.48,50.04 47.24,49.28 47.24,43.69 47.62,43.31 48.13,43.31
PMIC_SW1 on TOP: 50.08,90.03 50.16,90.12 50.65,90.12 50.65,90.81 51.03,90.81 51.03,90.8 51.32,90.52 51.32,90.5 51.43,90.32 51.61,90.21 51.63,90.21 51.66,90.17 51.82,90.17 51.94,90.04 51.94,87.88 51.18,87.88 51.05,88.01 51.05,89.05
PMIC_SW2 on TOP: 43.56,87.5 43.56,90.19 44.27,90.9 44.65,90.9 44.65,90.12 45.18,90.12 45.18,89.7 44.6,89.12 44.6,87.53 44.58,87.5
PMIC_SW3 on TOP: 51.73,92.28 51.73,92.48 52.07,92.48 52.17,92.5 52.25,92.55 52.28,92.58 53.98,92.58 54.1,92.46 54.1,90.68 53.98,90.55 53.34,90.55 53.34,90.91 52.26,91.98 52.17,91.98 52.15,92 52.05,92.06 51.93,92.09 51.92,92.09
PMIC_SW4 on TOP: 40.51,97.28 42.29,97.28 42.4,97.17 42.4,96.22 43.2,95.42 43.31,95.42 43.52,95.21 43.52,95.09 43.42,95.09 43.36,95.15 42.63,95.15 41.79,95.99 41.79,96.12 41.53,96.39 40.77,96.39 40.51,96.64
PMIC_SW5 on TOP: 48.33,89.51 48.33,89.71 48.43,89.81 48.71,89.81 48.86,89.66 48.95,89.61 49.04,89.59 49.23,89.59 50.14,88.67 50.14,88.14 50.01,88.01 48.36,88.01 48.33,88.04 48.33,88.48 48.33,88.69 48.35,88.76 48.35,88.82 48.35,88.88 48.33,88.95 48.33,89.25 48.35,89.32 48.35,89.38 48.35,89.44
PMIC_SW6 on TOP: 40.23,90.93 40.23,92.71 41.25,92.71 41.76,93.22 43.38,93.22 43.42,93.19 43.46,93.16 43.46,93.11 43.51,93.06 43.51,92.84 43.41,92.75 43.39,92.74 43.32,92.72 43.25,92.67 43.08,92.5 42.44,92.5 42.35,92.48 42.26,92.42 41.53,91.69 41.53,91.69 41.15,91.31 41.02,91.19 41.02,90.96 41,90.93
PMIC_SW7 on TOP: 45.31,88.8 45.34,88.8 45.34,89.03 45.47,89.15 46.48,89.15 47.18,89.85 47.18,90.01 47.19,90.02 47.42,90.02 47.52,89.91 47.52,89.33 46.97,88.77 46.97,87.88
PMIC_SW8 on TOP: 48.74,98.35 48.67,98.42 48.7,98.45 48.8,98.6 48.83,98.77 48.83,99.02 48.87,99.06 48.87,100.2 50.27,100.2 50.39,100.08 50.39,99.5 50.2,99.31 49.91,99.31 48.96,98.36 48.85,98.36 48.84,98.35
PMIC_SW9 on TOP: 51.08,97.16 51.08,97.43 51.18,97.53 51.18,97.81 52.42,99.06 53.06,99.06 53.06,97.78 52.72,97.78 52.22,97.28 51.84,97.28 51.74,97.18 51.71,97.18 51.69,97.16
PMIC_SW10 on TOP: 40.36,94.23 40.36,94.59 40.37,94.6 40.37,95.62 40.39,95.62 40.39,95.76 41.15,95.76 42.47,94.44 43.02,94.44 43.15,94.3 43.15,94.18 43.1,94.13 42.24,94.13 42.13,94.12 42.04,94.09 42.03,94.08 41.83,94.08 41.78,94.13 41.61,94.13 41.5,94.23
PMU_DVDD0V75 on TOP: 41.53,108.46 41.53,107.44 41.4,107.31 40.77,107.31 40.64,107.44 40.64,108.46 40.77,108.58 41.4,108.58
PMU_DVDD0V75 on L4-SIG: 50.68,37.47 50.93,37.72 50.93,41.91 51.44,42.42 51.44,43.43 52.2,44.2 53.47,44.2 53.98,44.7 53.98,46.74 54.1,46.74 55.24,47.88 55.63,47.88 56.96,49.21 56.96,51.69 57.02,51.75 57.02,53.85 56.52,53.85 56.01,53.34 56.01,50.93 53.4,48.32 53.4,47.56 52.96,47.12 52.96,44.7 52.83,44.58 52.2,44.58 52.07,44.45 51.94,44.45 50.67,43.18 50.55,43.18 50.04,42.67 49.66,42.67 49.21,42.23 49.21,40.77 48.58,40.13 48.51,40.13 48.13,39.75 48.13,39.24 48.26,39.12 48.64,39.12 48.77,38.99 48.77,37.85 49.15,37.47
PMUIO0_VCC1V8 on TOP: 53.21,76.2 53.21,75.44 52.7,74.93 51.18,74.93 50.93,75.18 50.93,76.07 51.05,76.2
PMUIO0_VCC1V8 on L4-SIG: 51.94,47.24 51.94,48.64 53.09,49.78 53.09,49.91 52.2,49.91 51.31,49.02 51.31,44.7 50.93,44.32 50.42,44.32 49.66,43.56 49.66,43.05 49.78,42.93 49.91,42.93 51.44,44.45 51.44,46.74
PMUIO1_VCC on L4-SIG: 50.55,49.66 49.91,49.66 49.91,47.37 50.04,47.24 50.04,44.58 50.16,44.45 50.42,44.45 50.55,44.58
SARADC_AVDD1V8 on L4-SIG: 40.51,42.8 37.47,45.85 35.81,45.85 35.75,45.78 36.45,45.09 37.21,45.09 40.39,41.91 43.31,41.91 43.69,42.29 43.69,42.55 43.43,42.8
USB2_OTG_AVDD1V8 on BOTTOM: 67.06,48.64 69.22,48.64 69.47,48.39 69.47,47.5 67.82,45.85 67.82,45.59 67.44,45.59 67.31,45.72 67.31,46.1 67.56,46.36 67.56,46.61 67.31,46.86 67.31,47.5 66.93,47.88 66.93,48.51
USB2_OTG_AVDD1V8 on L4-SIG: 52.45,39.5 52.2,39.24 52.2,38.99 52.32,38.86 52.32,38.74 52.58,38.48 53.98,38.48 54.23,38.73 57.4,38.73 57.4,38.86 60.96,38.86 61.47,39.37 61.47,39.5
USB2_OTG_AVDD3V3 on TOP: 33.15,103.89 30.99,103.89 30.86,103.76 30.86,103 30.99,102.87 33.02,102.87 33.27,103.12 33.27,103.76
USB2_OTG_DVDD0V75 on TOP: 44.32,108.58 44.32,106.3 44.2,106.17 43.69,106.17 43.43,106.43 43.43,108.58
USB2_OTG_DVDD0V75 on L4-SIG: 52.2,39.62 52.45,39.88 52.58,39.88 52.7,40.01 54.99,40.01 55.24,40.26 58.55,40.26 59.31,41.02 59.82,41.02 59.82,40.64 58.55,39.37 55.37,39.37 55.12,39.62 52.83,39.62 52.58,39.37 52.32,39.37 52.2,39.5
USB3_OTG0/DP_TX_AVDD0V85 on BOTTOM: 64.39,48.51 62.74,46.86 62.74,46.36 63.63,45.47 63.88,45.72 63.88,46.1 63.75,46.23 63.75,46.86 64.64,47.75 66.42,47.75 66.55,47.88 66.55,48.39 66.42,48.51
USB3_OTG0/DP_TX_AVDD0V85 on L4-SIG: 51.31,39.37 51.82,39.37 52.7,40.26 55.24,40.26 55.37,40.39 57.53,40.39 57.78,40.64 57.78,40.77 57.66,40.89 55.12,40.89 54.61,40.39 51.56,40.39 51.18,40.01 51.18,39.5
USB3_OTG0/DP_TX_AVDD1V8 on L4-SIG: 51.56,38.61 51.94,38.23 54.36,38.23 54.48,38.35 57.53,38.35 57.53,38.73 54.61,38.73 54.23,38.35 52.58,38.35 52.2,38.73 52.2,38.86 51.94,39.12 51.69,39.12 51.56,38.99

Small or netless copper shapes (teardrops, artwork), in the pictures only: 1 on BOTTOM

## Text on the board
Ref Des/Silkscreen Bottom: VCC_1V8_S0 | EMMC | LP4 | LP4X
Ref Des/Silkscreen Top: VCC_3V3_S0 | VDDQ_DDR | VDD_DDR | EMMC | VDD_GPU | VDD_CPU_BIG | VCC_1V1 | VCC_2V0 | VDD_CPU_LIT | VCC_3V3_S3 | VDD_NPU | VDD_LOGIC | VDD2_DDR_S3
